# Altium PCB JacdacRp2040DisplayEc30 125.PcbDoc
Units mm, origin at the board's own origin, x right, y up, seen from the top; angles counter-clockwise.
Board outline 66.5 x 35 mm, 2 copper layers (Top Layer, Bottom Layer), stack 1.525 mm thick; 36 components, 29 nets, 203 pads, 4 vias.
Unrouted connection lines stored in the file: 57.
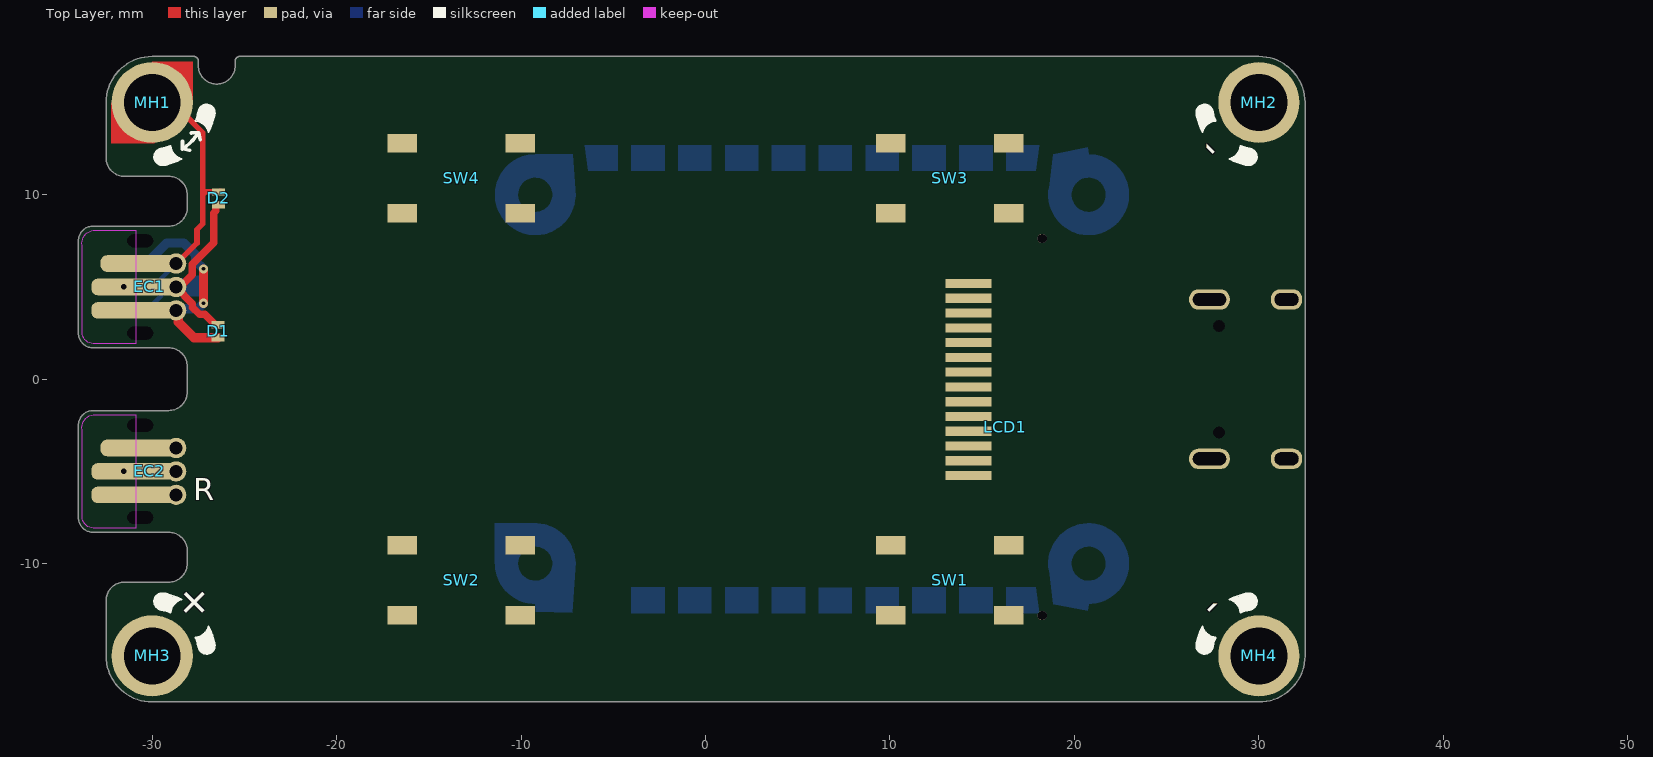
[diagram p0: Top Layer view]
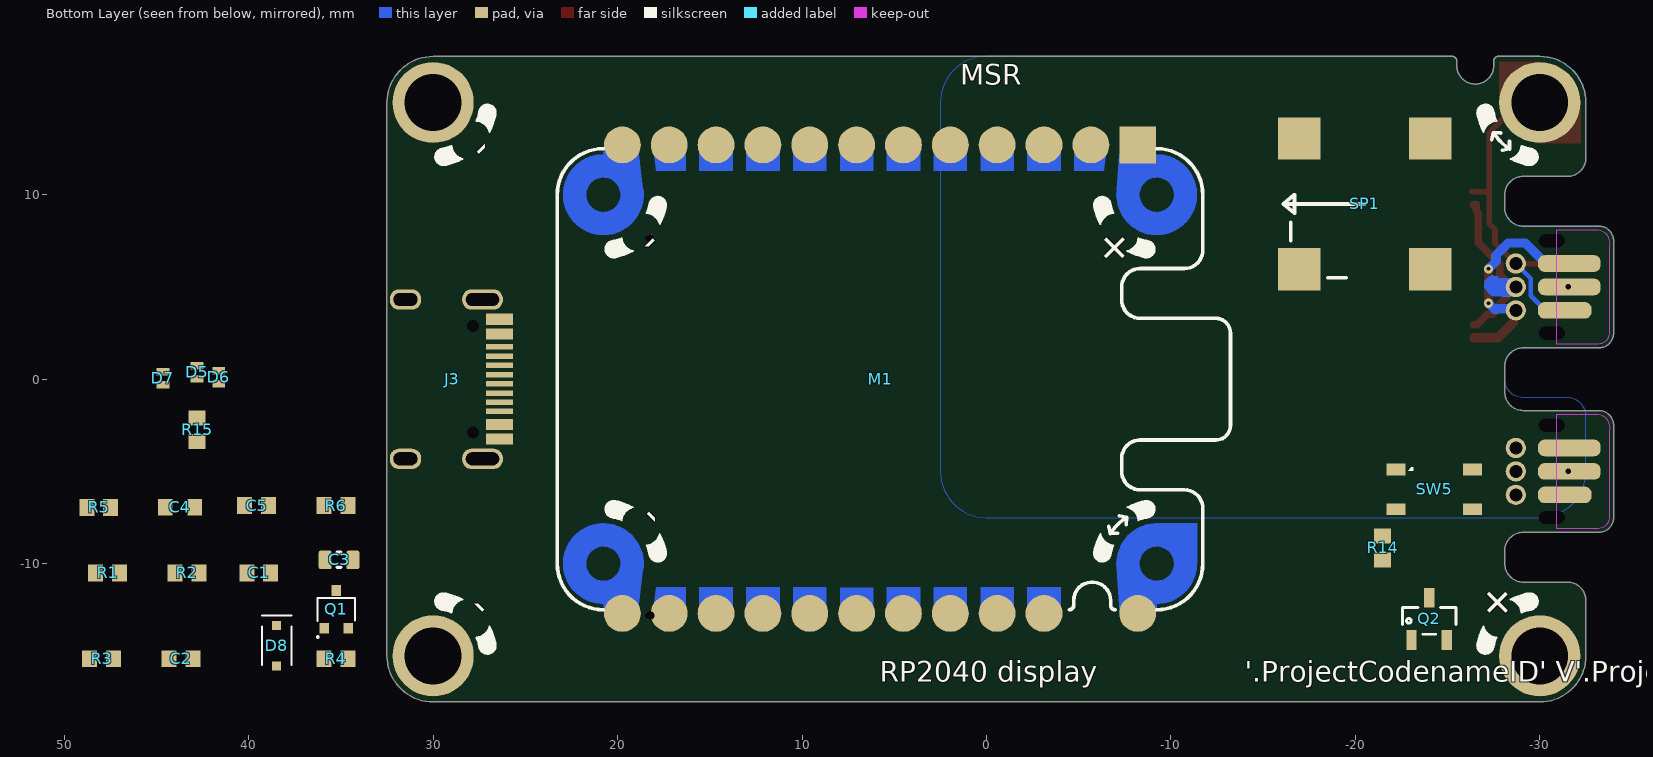
[diagram p1: Bottom Layer view, seen from below]

## Layer stack, top to bottom
Top Solder: solder mask 0.0102, Solder Resist, Dk 3.5
Top Layer: signal copper 0.0356
Dielectric 1: core 1.454, FR-4, Dk 4.2
Bottom Layer: signal copper 0.0356
Bottom Solder: solder mask 0.0102, Solder Resist, Dk 3.5

## Board outline
-34,-7.5 ccw(c-33.2,-7.5) -33.2,-8.3 -29.1,-8.3 -29.098,-8.3 cw(c-29.098,-9.3) -28.098,-9.3 -28.1,-9.3 -28.1,-10 cw(c-29.1,-10) -29.1,-11 -31.5,-11 ccw(c-31.5,-12) -32.5,-12 -32.5,-15 ccw(c-30,-15) -30,-17.5 30,-17.5 ccw(c30,-15) 32.5,-15 32.5,15 ccw(c30,15) 30,17.5 -25.25,17.5 ccw(c-25.25,17.25) -25.5,17.25 -25.5,17 cw(c-26.5,17) -27.5,17 -27.5,17.25 ccw(c-27.75,17.25) -27.75,17.5 -30,17.5 ccw(c-30,15) -32.5,15 -32.5,12 ccw(c-31.5,12) -31.5,11 -29.1,11 cw(c-29.1,10) -28.1,10 -28.1,9.3 -28.098,9.3 cw(c-29.098,9.3) -29.098,8.3 -29.1,8.3 -33.2,8.3 ccw(c-33.2,7.5) -34,7.5 -34,2.5 ccw(c-33.2,2.5) -33.2,1.7 -29.1,1.7 cw(c-29.1,0.7) -28.1,0.7 -28.1,0 -28.1,-0.7 cw(c-29.1,-0.7) -29.1,-1.7 -33.2,-1.7 ccw(c-33.2,-2.5) -34,-2.5

## Design rules (kind name [scope] priority, off if disabled: settings)
AssemblyTestPointUsage [All] p1: valid=2
BoardOutlineClearance StampHoleBoardOutlineClearance [InComponent('J5') or InComponent('J6')] p1: gap=0 ignorepadtopadclearanceinfootprint=FALSE
BoardOutlineClearance [All] p2: gap=0.25 ignorepadtopadclearanceinfootprint=FALSE except(0: Arc-SplitContinuation Track-SplitContinuation SMDPad-SplitContinuation THPad-SplitContinuation Via-SplitContinuation Fill-SplitContinuation Poly-SplitContinuation Region-SplitContinuation Text-SplitContinuation)
Clearance [All] p1: gap=0.13 ignorepadtopadclearanceinfootprint=FALSE except(0: Arc-Hole Track-Hole SMDPad-Hole THPad-Hole Via-Hole Fill-Hole Poly-Hole Region-Hole Text-Hole)
ComponentClearance StampHoleComponentClearance [InComponent('MH1') or InComponent('MH2')  or InComponent('MH3')  or InComponent('MH4') vs InComponent('J5') or InComponent('J6')] p1: gap=0 collisioncheckmode=3 verticalgap=0 showdistances=FALSE
ComponentClearance LcdClearance [InComponent('M1') Or InComponent('SW1') Or InComponent('SW2')  Or InComponent('SW3') Or InComponent('SW4') vs InComponent('LCD1')] p2: gap=0 collisioncheckmode=3 verticalgap=0 showdistances=FALSE
ComponentClearance [All] p3: gap=0.2 collisioncheckmode=3 verticalgap=0.2 showdistances=FALSE
DiffPairsRouting DiffPair_DIFF90DiffPairsRouting [InDifferentialPairClass('DIFF90')] p1: maxlimit=2 minlimit=0.2 mostfreqgap=0.2 toplayer_minwidth=0.2 toplayer_maxwidth=2 toplayer_prefwidth=0.2 bottomlayer_minwidth=0.2 bottomlayer_maxwidth=2 bottomlayer_prefwidth=0.2 substack1={CB9D278B-8BF5-444A-AAF4-837A2A9DF42D} toplayer_{cb9d278b-8bf5-444a-aaf4-837a2a9df42d}_minwidth=0.381 toplayer_{cb9d278b-8bf5-444a-aaf4-837a2a9df42d}_maxwidth=0.381 toplayer_{cb9d278b-8bf5-444a-aaf4-837a2a9df42d}_prefwidth=0.381 bottomlayer_{cb9d278b-8bf5-444a-aaf4-837a2a9df42d}_minwidth=0.381 bottomlayer_{cb9d278b-8bf5-444a-aaf4-837a2a9df42d}_maxwidth=0.381 bottomlayer_{cb9d278b-8bf5-444a-aaf4-837a2a9df42d}_prefwidth=0.381 substack2={826B8647-A721-4255-895A-19F9591B9CD1} toplayer_{826b8647-a721-4255-895a-19f9591b9cd1}_minwidth=0.381 toplayer_{826b8647-a721-4255-895a-19f9591b9cd1}_maxwidth=0.381 toplayer_{826b8647-a721-4255-895a-19f9591b9cd1}_prefwidth=0.381 bottomlayer_{826b8647-a721-4255-895a-19f9591b9cd1}_minwidth=0.381 bottomlayer_{826b8647-a721-4255-895a-19f9591b9cd1}_maxwidth=0.381 bottomlayer_{826b8647-a721-4255-895a-19f9591b9cd1}_prefwidth=0.381 substack3={E64FCAF4-1BC8-437D-B1E0-0E5F2DC0F59E} toplayer_{e64fcaf4-1bc8-437d-b1e0-0e5f2dc0f59e}_minwidth=0.381 toplayer_{e64fcaf4-1bc8-437d-b1e0-0e5f2dc0f59e}_maxwidth=0.381 toplayer_{e64fcaf4-1bc8-437d-b1e0-0e5f2dc0f59e}_prefwidth=0.381 bottomlayer_{e64fcaf4-1bc8-437d-b1e0-0e5f2dc0f59e}_minwidth=0.381 bottomlayer_{e64fcaf4-1bc8-437d-b1e0-0e5f2dc0f59e}_maxwidth=0.381 bottomlayer_{e64fcaf4-1bc8-437d-b1e0-0e5f2dc0f59e}_prefwidth=0.381 substack4={E61CE66C-507C-4E1E-8E83-C905434AFC1C} toplayer_{e61ce66c-507c-4e1e-8e83-c905434afc1c}_minwidth=0.381 toplayer_{e61ce66c-507c-4e1e-8e83-c905434afc1c}_maxwidth=0.381 toplayer_{e61ce66c-507c-4e1e-8e83-c905434afc1c}_prefwidth=0.381 bottomlayer_{e61ce66c-507c-4e1e-8e83-c905434afc1c}_minwidth=0.381 bottomlayer_{e61ce66c-507c-4e1e-8e83-c905434afc1c}_maxwidth=0.381 bottomlayer_{e61ce66c-507c-4e1e-8e83-c905434afc1c}_prefwidth=0.381 filterlayerstackid={285EF71D-43CD-4455-94EE-AC1A71E951D2} maxuncoupledlength=12.7
FabricationTestPointUsage [All] p1: valid=2 allowmultiple=FALSE
HoleSize [All] p1: absolutevalues=TRUE maxlimit=6 minlimit=0.2 maxpercent=80.000 minpercent=20.000
HoleToHoleClearance [All] p1: gap=0.4 allowstackedmicrovias=TRUE
MatchedLengths DiffPair_DIFF90MatchedLengths [InDifferentialPair ('USB_D')] p1: tolerance=25.4 checknetsindiffpair=FALSE checkdiffpairvsdiffpair=TRUE checkxsignals=TRUE checkothers=TRUE
MinimumSolderMaskSliver [All] p1: minsoldermaskwidth=0.005
PlaneClearance [All] p1: clearance=0.15
PlaneConnect [All] p1: planeconnectstyle=Relief reliefexpansion=0.3 reliefentries=4 reliefconductorwidth=0.13 reliefairgap=0.13
PolygonConnect "PolygonConnect GND" [isVIA] p1: connectstyle=Relief reliefconductorwidth=0.15 reliefentries=4 polygonreliefangle="90 Angle" airgapwidth=0.13
PolygonConnect [All] p2: connectstyle=Relief reliefconductorwidth=0.13 reliefentries=4 polygonreliefangle="90 Angle" airgapwidth=0.13
RoutingVias [All] p1: holewidth=0.2 width=0.5 viastyle="Through Hole" minholewidth=0.2 minwidth=0.5 maxholewidth=0.3 maxwidth=0.8
SilkToSilkClearance [All] p1: silktosilkclearance=0.001
SilkToSolderMaskClearance [IsPad] p1: minsilkscreentomaskgap=0.05 clearancetoexposedcopper=TRUE
SolderMaskExpansion [All] p1: expansion=0.075 istentingtop=FALSE
UnRoutedNet [All] p1: checkbadconnections=TRUE
Width [All] p1: maxlimit=2 minlimit=0.13 preferedwidth=0.13 substack1={CB9D278B-8BF5-444A-AAF4-837A2A9DF42D} toplayer_{cb9d278b-8bf5-444a-aaf4-837a2a9df42d}_minwidth=0.15 toplayer_{cb9d278b-8bf5-444a-aaf4-837a2a9df42d}_prefwidth=0.15 bottomlayer_{cb9d278b-8bf5-444a-aaf4-837a2a9df42d}_minwidth=0.15 bottomlayer_{cb9d278b-8bf5-444a-aaf4-837a2a9df42d}_prefwidth=0.15 substack2={826B8647-A721-4255-895A-19F9591B9CD1} toplayer_{826b8647-a721-4255-895a-19f9591b9cd1}_minwidth=0.15 toplayer_{826b8647-a721-4255-895a-19f9591b9cd1}_prefwidth=0.15 bottomlayer_{826b8647-a721-4255-895a-19f9591b9cd1}_minwidth=0.15 bottomlayer_{826b8647-a721-4255-895a-19f9591b9cd1}_prefwidth=0.15 substack3={E64FCAF4-1BC8-437D-B1E0-0E5F2DC0F59E} toplayer_{e64fcaf4-1bc8-437d-b1e0-0e5f2dc0f59e}_minwidth=0.15 toplayer_{e64fcaf4-1bc8-437d-b1e0-0e5f2dc0f59e}_prefwidth=0.15 bottomlayer_{e64fcaf4-1bc8-437d-b1e0-0e5f2dc0f59e}_minwidth=0.15 bottomlayer_{e64fcaf4-1bc8-437d-b1e0-0e5f2dc0f59e}_prefwidth=0.15 substack4={E61CE66C-507C-4E1E-8E83-C905434AFC1C} toplayer_{e61ce66c-507c-4e1e-8e83-c905434afc1c}_minwidth=0.15 toplayer_{e61ce66c-507c-4e1e-8e83-c905434afc1c}_prefwidth=0.15 bottomlayer_{e61ce66c-507c-4e1e-8e83-c905434afc1c}_minwidth=0.15 bottomlayer_{e61ce66c-507c-4e1e-8e83-c905434afc1c}_prefwidth=0.15 minimp=50.000000 maximp=50.000000 favimp=50.000000
18 further rules are at their usual default settings.

## Classes and differential pairs
differential pair USB_D: +USB_D_P -USB_D_N

## Components (designator, comment, footprint, x,y, rotation, side; value= is the part's Value field where it differs from the comment)
C1 "33 pF" CC0603 39.452,-10.5 r180 bottom
C2 "33 pF" CC0603 43.674,-15.154 r180 bottom
C3 "CAP0603_GENERIC" CAP0603 35.1,-9.8 r180 bottom value=1uF
C4 "CL10A475KP8NNNC" "C0603 - without outline" 43.725,-6.949 r180 bottom
C5 "0.1uF" CC0603 39.574,-6.854 r180 bottom
D1 "RCLAMP0521P-N" "TVS 0402 - L" -26.425,2.6 r90 top
D2 "RCLAMP0521P-N" "TVS 0402 - L" -26.4,9.8 r270 top
D5 "RCLAMP0521P-N" "TVS 0402 - L" 42.8,0.38 r270 bottom
D6 "RCLAMP0521P-N" "TVS 0402 - L" 41.62,0.105 r90 bottom
D7 "RCLAMP0521P-N" "TVS 0402 - L" 44.645,0.055 r90 bottom
D8 "BAS316" NXP_SOD323 38.483,-14.454 r180 bottom
EC1 "3 pin JACDAC edge connector" JACDAC_EDGE_CONNECTOR_NO_TRACES#1 -28.15,5 r90 top
EC2 "3 pin JACDAC edge connector" JACDAC_EDGE_CONNECTOR_NO_TRACES#2 -28.15,-5 r90 top
J3 "TYPE-C-31-M-12" TYPE-C-31-M-12 26.405,0 r270 bottom
LCD1 "JD-T18003-T01" JD-T18003-T01-BASIC-1.5mm-clearance -20.45,-17.018 r0 top
M1 "Castellated Jacdac RP2040 module" JACDACRP2040BRAINEC30 -8.2,0 r270 bottom
MH1 "MH_7.0MMK_4.4MMC_3.1MMD_PTH" MH_7.0MMK_4.4MMC_3.1MMD_PTH -30,15 r0 top
MH2 "MH_7.0MMK_4.4MMC_3.1MMD_PTH" MH_7.0MMK_4.4MMC_3.1MMD_PTH 30,15 r0 top
MH3 "MH_7.0MMK_4.4MMC_3.1MMD_PTH" MH_7.0MMK_4.4MMC_3.1MMD_PTH -30,-15 r0 top
MH4 "MH_7.0MMK_4.4MMC_3.1MMD_PTH" MH_7.0MMK_4.4MMC_3.1MMD_PTH 30,-15 r0 top
Q1 "MOSFET N-CH 20V 1.4A" INFINEON_SOT-323 35.25,-12.48 r180 bottom
Q2 "2N7002K" SOT23-ONS -24,-13 r180 bottom
R1 "RES0603_GENERIC" CC0603 47.643,-10.5 r180 bottom value=10R
R2 "RES0603_GENERIC" CC0603 43.343,-10.5 r180 bottom value=100kR
R3 "RES0603_GENERIC" CC0603 47.974,-15.154 r180 bottom value=10R
R4 "RES0603_GENERIC" CC0603 35.274,-15.154 r180 bottom value=10R
R5 "RES0603_GENERIC" CC0603 48.125,-6.949 r180 bottom value=120R
R6 "RES0603_GENERIC" CC0603 35.274,-6.854 r180 bottom value=100kR
R14 "RES0603_GENERIC" CC0603 -21.478,-9.151 r90 bottom value=5.1kR
R15 "RES0603_GENERIC" CC0603 42.8,-2.741 r270 bottom value=5.1kR
SP1 "SPEAKER_MLT-8530" SPEAKER_MLT-8530 -20.5,9.5 r0 bottom
SW1 "PTS525SM15SMTR2LFS" PTS525Sx15 13.25,-10.9 r180 top
SW2 "PTS525SM15SMTR2LFS" PTS525Sx15 -13.25,-10.9 r180 top
SW3 "PTS525SM15SMTR2LFS" PTS525Sx15 13.25,10.9 r180 top
SW4 "PTS525SM15SMTR2LFS" PTS525Sx15 -13.25,10.9 r180 top
SW5 "UK-B0267-SP25Y" USAKRO-UK-B0267-SP25Y -24.275,-5.976 r180 bottom

## Footprints (in the part's own frame and the unit in brackets; to place one, negate y for a bottom-side part, rotate by r counter-clockwise, add the part's x,y. Pads: shape width x height; smd on the part's side, far side on the other; paste and mask are expansions set on the pad)
"C0603 - without outline" [mm]
  rect 0.8x0.9 smd: 1(-0.8,0) 2(0.8,0)
  body extent -0.9,-0.5 0.9,0.5, height 0.9
CAP0603 [mm] "Chip Capacitor 0603, 2-Leads, Body 1.60x0.80mm, IPC Medium Density"
  rrect25% 0.7x1 smd: 1(-0.75,0) 2(0.75,0)
  silkscreen extent -0.1,-0.4 0.1,0.4, body extent -0.88,-0.48 0.87,0.47, height 0.9
CC0603 [mil]
  rect 32x36 smd: 1(-25.5,0) 2(25.5,0)
  body extent -34,-18 34,18, height 36
INFINEON_SOT-323 [mm]
  rect 0.5x0.58 smd mask+0.05: 1(-0.65,-1.02) 2(0.65,-1.02) 3(0,1.02)
  silkscreen extent -1.05,-1.55 1.01,0.63, body extent -1.1,-1.12 1.1,1.12, height 1.1
JACDAC_EDGE_CONNECTOR_NO_TRACES#1 [mm] "Jacdac 3 pin connector with no traces"
  rrect78% 0.9x2.9 smd far side paste-1 mask+0: 1(-1.27,3.2)
  rrect78% 0.9x4.3 smd paste-1 mask+0: 1(1.27,2.5)
  round 1.1 hole 0.71 paste-0.254 mask+0: 1(1.27,0.55) 2(0,0.55) 3(-1.27,0.55)
  rrect78% 0.9x3.4 smd far side paste-1 mask+0: 2(0,3.45) 2(0,3.45) 3(1.27,3.45)
  rrect78% 0.9x4.8 smd paste-1 mask+0: 2(0,2.75) 3(-1.27,2.75)
  round 0 hole 0.7 slot 1.4 at 90 deg unplated: ""(-2.5,2.5) ""(2.5,2.5)
  Top Layer lines w0.2: -1.27,0.85 -1.126,0.85
  Top Layer keep-out region: -3.075,2.75 -3.07,5.033 -2.987,5.341 -2.761,5.567 -2.453,5.65 -2.453,5.65 2.27,5.65 2.545,5.635 2.794,5.516 2.978,5.31 3.07,5.05 3.07,5.05 3.07,2.75
  Bottom Layer keep-out region: -3.07,2.75 -3.07,5.033 -3.023,5.269 -2.889,5.469 -2.689,5.603 -2.453,5.65 -2.453,5.65 2.27,5.65 2.546,5.635 2.794,5.516 2.978,5.31 3.07,5.05 3.07,5.05 3.07,2.75
JACDAC_EDGE_CONNECTOR_NO_TRACES#2 [mm] "Jacdac 3 pin connector with no traces"
  rrect78% 0.9x2.9 smd far side paste-1 mask+0: 1(-1.27,3.2)
  rrect78% 0.9x4.3 smd paste-1 mask+0: 1(1.27,2.5)
  round 1.1 hole 0.71 paste-0.254 mask+0: 1(1.27,0.55) 2(0,0.55) 3(-1.27,0.55)
  rrect78% 0.9x3.4 smd far side paste-1 mask+0: 2(0,3.45) 2(0,3.45) 3(1.27,3.45)
  rrect78% 0.9x4.8 smd paste-1 mask+0: 2(0,2.75) 3(-1.27,2.75)
  round 0 hole 0.7 slot 1.4 at 90 deg unplated mask+0: ""(-2.5,2.5) ""(2.5,2.5)
  Top Layer keep-out region: -3.075,2.75 -3.07,5.033 -2.987,5.341 -2.761,5.567 -2.453,5.65 -2.453,5.65 2.27,5.65 2.545,5.635 2.794,5.516 2.978,5.31 3.07,5.05 3.07,5.05 3.07,2.75
  Bottom Layer lines w0.2: -1.27,0.85 -1.126,0.85
  Bottom Layer keep-out region: -3.07,2.75 -3.07,5.033 -3.023,5.269 -2.889,5.469 -2.689,5.603 -2.453,5.65 -2.453,5.65 2.27,5.65 2.546,5.635 2.794,5.516 2.978,5.31 3.07,5.05 3.07,5.05 3.07,2.75
JACDACRP2040BRAINEC30 [mm]
  rect 2x2 smd: 1(-12.7,0)
  round 0.1 smd paste-2539.97 mask+0: 1(-11.939,0) 1(-11.939,0) 2(11.939,0) 2(11.939,0) 3(-11.939,-2.54) 3(-11.939,-2.54) 5(-11.939,-5.08) 5(-11.939,-5.08) 6(11.939,-5.08) 6(11.939,-5.08) 7(-11.939,-7.62) 7(-11.939,-7.62) 8(11.939,-7.62) 8(11.939,-7.62) 9(-11.939,-10.16) 9(-11.939,-10.16) 10(11.939,-10.16) 10(11.939,-10.16) 11(-11.939,-12.7) 11(-11.939,-12.7) 12(11.939,-12.7) 12(11.939,-12.7) 13(-11.939,-15.24) 13(-11.939,-15.24) 14(11.939,-15.24) 14(11.939,-15.24) 15(-11.939,-17.78) 15(-11.939,-17.78) 16(11.939,-17.78) 16(11.939,-17.78) 17(-11.939,-20.32) 17(-11.939,-20.32) 18(11.939,-20.32) 18(11.939,-20.32) 19(-11.939,-22.86) 19(-11.939,-22.86) 20(11.939,-22.86) 20(11.939,-22.86) 21(-11.939,-25.4) 21(-11.939,-25.4) 22(11.939,-25.4) 22(11.939,-25.4) 23(-11.939,-27.94) 23(-11.939,-27.94) 24(11.939,-27.94) 24(11.939,-27.94)
  round 2 smd: 2(12.7,0) 3(-12.7,-2.54) 5(-12.7,-5.08) 6(12.7,-5.08) 7(-12.7,-7.62) 8(12.7,-7.62) 9(-12.7,-10.16) 10(12.7,-10.16) 11(-12.7,-12.7) 12(12.7,-12.7) 13(-12.7,-15.24) 14(12.7,-15.24) 15(-12.7,-17.78) 16(12.7,-17.78) 17(-12.7,-20.32) 18(12.7,-20.32) 19(-12.7,-22.86) 20(12.7,-22.86) 21(-12.7,-25.4) 22(12.7,-25.4) 23(-12.7,-27.94) 24(12.7,-27.94)
  Top Layer region: -11.318,-27.652 -9.9,-26.77 -12.2,-27.055 -12.57,-28.928 -12.2,-28.97
  Top Layer region: 11.318,-0.288 9.9,-1.17 12.649,-0.975 12.597,0.991 12.2,1.03
  Top Layer region: -11.318,-0.288 -9.9,-1.17 -12.2,-0.999 -12.2,1.03
  Top Layer region: 11.3,-16.14 11.3,-14.34 12.7,-14.34 12.7,-16.14
  Top Layer region: 11.289,-18.68 11.289,-16.88 12.689,-16.88 12.689,-18.68
  Top Layer region: 11.289,-21.22 11.289,-19.42 12.689,-19.42 12.689,-21.22
  Top Layer region: 11.289,-23.76 11.289,-21.96 12.689,-21.96 12.689,-23.76
  Top Layer region: 11.289,-26.1 11.289,-24.5 12.689,-24.5 12.689,-26.3
  Top Layer region: 11.289,-5.98 11.289,-4.18 12.689,-4.18 12.689,-5.98
  Top Layer region: 11.289,-8.52 11.289,-6.72 12.689,-6.72 12.689,-8.52
  Top Layer region: 11.289,-11.06 11.289,-9.26 12.689,-9.26 12.689,-11.06
  Top Layer region: 11.289,-13.6 11.289,-11.8 12.689,-11.8 12.689,-13.6
  Top Layer region: -11.289,-14.34 -11.289,-16.14 -12.689,-16.14 -12.689,-14.34
  Top Layer region: -11.289,-11.8 -11.289,-13.6 -12.689,-13.6 -12.689,-11.8
  Top Layer region: -11.289,-9.26 -11.289,-11.06 -12.689,-11.06 -12.689,-9.26
  Top Layer region: -11.289,-6.72 -11.289,-8.52 -12.689,-8.52 -12.689,-6.72
  Top Layer region: -11.289,-4.18 -11.289,-5.98 -12.689,-5.98 -12.689,-4.18
  Top Layer region: -11.289,-1.84 -11.289,-3.44 -12.689,-3.44 -12.689,-1.64
  Top Layer region: -11.289,-16.88 -11.289,-18.68 -12.689,-18.68 -12.689,-16.88
  Top Layer region: -11.289,-19.42 -11.289,-21.22 -12.689,-21.22 -12.689,-19.42
  Top Layer region: -11.289,-24.5 -11.289,-26.1 -12.689,-26.3 -12.689,-24.5
  Top Layer region: -11.289,-21.96 -11.289,-23.76 -12.689,-23.76 -12.689,-21.96
  Top Layer region: 7.8,3.23 7.8,0.93 8.789,2.241 10,3.23
  Top Layer region: 11.307,-27.652 9.889,-26.77 12.189,-27.055 12.559,-28.928 12.189,-28.97
  Top Layer lines w1.27: 10,2.59 cw(c10,1.03) 9.973,2.59 ; -9.973,2.59 cw(c-10,1.03) -10,2.59 ; 10,-30.53 ccw(c10,-28.97) 9.973,-30.53 ; -9.973,-30.53 ccw(c-10,-28.97) -10,-30.53
  silkscreen extent -12.5,-31.47 12.5,5.03, body extent -12.5,-31.97 12.5,5.03, height 4.91
JD-T18003-T01-BASIC-1.5mm-clearance [mm] "128x160 colour LCD"
  rect 2.5x0.5 smd: 1(34.7,22.2) 2(34.7,21.4) 3(34.7,20.6) 4(34.7,19.8) 5(34.7,19) 6(34.7,18.2) 7(34.7,17.4) 8(34.7,16.6) 9(34.7,15.8) 10(34.7,15) 11(34.7,14.2) 12(34.7,13.4) 13(34.7,12.6) 14(34.7,11.8)
  round 0.5 hole 0.5 unplated: 1(38.7,4.2) 1(38.7,24.65)
  body extent 0,-0.02 45.83,33.98, height 3.6
MH_7.0MMK_4.4MMC_3.1MMD_PTH [mm] "Jacdac mounting hole 7.0mm clearance, 4.4 annualar ring and 3.1mm PTH"
  round 4.4 hole 3.08 mask+0.05: 1(0,0)
NXP_SOD323 [mm]
  rect 0.5x0.5 smd mask+0.1: 1(0,1.1) 2(0,-1.1)
  silkscreen extent -0.8,-1.05 0.81,1.65, body extent -0.65,-1.25 0.65,1.25, height 1.1
PTS525Sx15 [mm] "low profile tact"
  rect 1.6x1 smd: 1(-3.2,1.9) 2(3.2,1.9) 3(-3.2,-1.9) 4(3.2,-1.9)
  body extent -3.2,-2.63 3.2,2.63, height 1.5
SOT23-ONS [mil]
  rect 22x42 smd: 1(-37.5,-45) 2(37.5,-45) 3(0,45)
  silkscreen extent -57,-32 57,25, body extent -60,-52 60,52, height 44
SPEAKER_MLT-8530 [mm] "magnetic speaker"
  rect 2.3x2.3 smd: 1(-3.55,3.55) 2(3.55,3.55) 3(3.55,-3.55) 4(-3.55,-3.55)
  silkscreen extent 0,-0.5 4.4,4, body extent -4.4,-4.32 4.3,4.38, height 3.31
"TVS 0402 - L" [mm] "TVS 0402 RoHS"
  rect 0.4x0.7 smd paste-0.038 mask+0.05: 1(-0.35,0) 2(0.35,0)
  body extent -0.5,-0.3 0.5,0.3, height 0.5
TYPE-C-31-M-12 [mm] "USB - Type C Female 16 8.94*7.3mm USB Connectors RoHS"
  rrect90% 1.1x2.2 hole 0.7 slot 1.8 at 90 deg: 1(-4.32,-0.915) 4(4.32,-0.915)
  rrect90% 0x0 hole 0.65 unplated: 1(-2.89,-1.445)
  round 0 hole 0.65 unplated: 1(2.89,-1.445)
  rrect90% 1.1x1.7 hole 0.7 slot 1.3 at 90 deg: 2(-4.32,-5.095) 3(4.32,-5.095)
  rect 0.3x1.45 smd paste-0.254 mask+0.05: A1(-3.4,0)
  rect 0.3x1.45 smd mask+0.05: A4(-2.6,0) A5(-1.25,0) A6(-0.25,0) A7(0.25,0) A8(1.25,0) A9(2.6,0) A12(3.4,0) B1(3.1,0) B4(2.3,0) B5(1.75,0) B6(0.75,0) B7(-0.75,0.006) B8(-1.75,0) B9(-2.3,0) B12(-3.1,0)
  body extent -4.47,-7.7 4.47,0.21, height 3.31
USAKRO-UK-B0267-SP25Y [mm] "4.20mm x 3.20mm"
  rect 1.05x0.65 smd: 1(-2.075,1.075) 2(2.075,1.075) 3(-2.075,-1.075) 4(2.075,-1.075)
  silkscreen extent -1.41,1.02 -1.12,1.2, body extent -2.29,-1.6 2.29,1.6, height 2.5

## Part data
C1 C2: library part CC0603JRNPO9BN330, "33pF 0603 100V C0G/NPO", Capacitance=33pF, Case Code (Imperial)=0603, Case Code (Metric)=1608, Dielectric=C0G, Manufacturer=Yageo, Max Operating Temperature=125°C, Min Operating Temperature=-55°C, Tolerance=5%, Voltage Rating=100V, Case/Package=0603, Category="Ceramic Capacitors", ComponentLink1Description="Online datasheet", ComponentLink1URL=https://datasheet.ciiva.com/13207/upy-gp-np0-16v-to-50v-8-13207786.pdf, Composition=Ceramic, Depth=0.8mm, Height=0.8mm, Lead Free="Lead Free", Length=1.6mm, Manufacturer 1=Yageo, Manufacturer Part Number=CC0603JRNPO9BN330, Manufacturer Part Number 1=CC0603JRNPO9BN330, Mount="Surface Mount", Packaging="Tape and Reel", RoHS=Yes, Supplier 1=Digi-Key, Termination=SMD/SMT, Thickness=0.035inch, Voltage Rating (DC)=100V, Weight=7.1E-05oz, Width=0.8mm
C3: "CAP generic 0603 SMD", Package Size=0603, Rated Voltage="* V"
C4: "CAP CER 4.7UF 10V X5R 0603", Capacitance=4.7uF, Case Code (Imperial)=0603, Case Code (Metric)=1608, Dielectric=X5R, Manufacturer=Samsung, Max Operating Temperature=85°C, Min Operating Temperature=-55°C, Package Quantity=1, Supplier Part Number 1=3013398, Tolerance=10%, Voltage Rating=10V, Case/Package=0603, Category="Ceramic Capacitors", Checked By=?, ComponentLink1Description="Online datasheet", ComponentLink1URL=https://datasheet.ciiva.com/25797/cl10a475kp8nnnc-25797520.pdf, Construction=Flat, Contact Plating=Tin, Created By="D Gakure", Depth=0.8mm, Height=0.8mm, Length=1.6mm, Manufacturer Part Number=CL10A475KP8NNNC, Mount="Surface Mount", Packaging="Tape and Reel", Pricing 1="10=0.02700, 100=0.02160, 500=0.01580, 1000=0.01310, 2000=0.01130 (GBP)", Pricing 2="1=0.10000, 10=0.04900, 50=0.02680, 100=0.02180, 500=0.01558, 1000=0.01224 (USD)", Radiation Hardening=No, RoHS=Yes, RoHS Compliant=Yes, Series=CL, Stock 1=75690, Supplier 1=Farnell, Supplier 2=Digi-Key, Supplier Part Number 2=1276-1044-1-ND, Thickness=0.035inch, Width=0.031inch
C5: library part CC0603KRX7R8BB104, "0.1uF, 0603, CC0603KRX7R8BB104, Yageo, 25V, X7R, 10%, FULL REEL", Capacitance=100nF, Case Code (Imperial)=0603, Case Code (Metric)=1608, Dielectric=X7R, Manufacturer=Yageo, Max Operating Temperature=125°C, Min Operating Temperature=-55°C, Package Quantity=1, Supplier Part Number 1=311-1341-1-ND, Tolerance=10%, Voltage=25V, Case/Package=0603, Category="Ceramic Capacitors", ComponentLink2Description="Online part number coding", ComponentLink2URL=https://datasheet.ciiva.com/144/mlccorderingcode-144075.pdf?src-supplier=Digi-Key, ComponentLink3Description="Online datasheet", ComponentLink3URL=https://datasheet.ciiva.com/17434/upy-gphc-x7r-6-3v-to-50v-8-17434263.pdf, Composition=Ceramic, Depth=0.8mm, Halogen Free="Halogen Free", Height=0.8mm, Lead Free="Lead Free", Length=1.6mm, Manufacturer Part Number=CC0603KRX7R8BB104, Mount="Surface Mount", Number of Pins=2, Packaging="Tape and Reel", Pricing 1="1=0.10000, 10=0.05300, 100=0.02340, 500=0.01674, 1000=0.01316 (USD)", Radiation Hardening=No, REACH SVHC=Unknown, RoHS=Yes, Stock 1=12615855, Supplier 1=Digi-Key, Termination=SMD/SMT, Thickness=0.035inch, Voltage Rating=25V, Voltage Rating (DC)=25V, Width=0.8mm
D1 D2 D5 D6 D7: "Bidirectional 5V (Max) 6V 16V 3.5A (8/20us) 0402 TVS RoHS", Manufacturer="Born Semiconductor", Package=0402, Supplier1 Part Number=C316043, Checked By=?, ComponentLink1Description="Online datasheet", ComponentLink1URL=https://datasheet.lcsc.com/szlcsc/Bourne-Semicon-Shenzhen-RCLAMP0521P-N_C316043.pdf, Created By="D Gakure", Manufacturer Part Number=RCLAMP0521P-N, Supplier1=LCSC
D8: "Diode: switching; SMD; 100V; 250mA; 4ns; SOD323", Average Rectified Current=250mA, Case/Package=SC, Forward Voltage=1.25V, Manufacturer 1="NXP Semiconductors", Manufacturer Part Number 1=BAS316115, Max Forward Surge Current (Ifsm)=4A, Max Operating Temperature=150°C, Max Power Dissipation=400mW, Max Repetitive Reverse Voltage (Vrrm)=100V, Max Reverse Leakage Current=1uA, Min Operating Temperature=-65°C, Package Quantity=1, Supplier Part Number 1=568-5003-2-ND, Category="Rectifier Diodes", ComponentLink1Description="NXP datasheet online", ComponentLink1URL=https://datasheet.ciiva.com/1242/1856332-1242585.pdf, Contact Plating=Tin, Element Configuration=Single, Forward Current=250mA, Height=0.25inch, Lead Free="Lead Free", Length=0.25inch, Max Reverse Voltage (DC)=100V, Max Surge Current=4A, Mount="Surface Mount", Number of Pins=2, Packaging="Tape and Reel", Peak Non-Repetitive Surge Current=4A, Power Dissipation=400mW, Radiation Hardening=No, REACH SVHC="No SVHC", Recovery Time=4ns, Reverse Recovery Time=4ns, RoHS=Yes, Supplier 1=Digi-Key, Supplier 2=Farnell, Supplier Part Number 2=2336750, Voltage=100V, Weight=0.01lb, Width=0.25inch
EC1 EC2: library part "Jacdac edge connector", "3 pin Jacdac edge connector 1.27mm pitch", Manufacturer Part Number=JACDAC_EDGE_CONNECTOR, Checked By=?, ComponentLink1Description="Yuliang JACDAC cable connector drawing online", ComponentLink1URL=https://github.com/microsoft/jacdac-mdk/blob/main/connector/JACDAC-Connector-by-Yuliang-2020-11-28.pdf, ComponentLink2Description="JACDAC PCB edge connector spec onlin", ComponentLink2URL=https://github.com/microsoft/jacdac-mdk/blob/main/connector/JACDAC_PCB_Edge_Connector_Drawing_JD-PEC-01_rev_01.pdf, Created By="D. Gakure", PCB Type="1.6mm FR4"
J3: "USB - Type C Female 16 USB Connectors RoHS", Manufacturer="Korean Hroparts Elec", Supplier 1 Part Number=C165948, Category="USB Connectors", ComponentLink1Description="Online datasheet", ComponentLink1URL=https://datasheet.lcsc.com/szlcsc/1811131825_Korean-Hroparts-Elec-TYPE-C-31-M-12_C165948.pdf, Gender=Receptacle, Manufacturer Part Number=TYPE-C-31-M-12, Number of Positions=16, Orientation="Right Angle", RoHS=Yes, Supplier 1=LCSC
LCD1: "128x160 backlit colour LCD", Manufacturer="Truly Semiconductor", Supplier Part Number 1=1528-2562-ND, ComponentLink1Description="Truly Semiconductor datasheet", ComponentLink1URL=https://cdn-shop.adafruit.com/datasheets/JD-T1800.pdf, ComponentLink2Description="Adafruit product page", ComponentLink2URL=https://www.adafruit.com/product/618, Manufacturer Part Number=JD-T18003-T01, Pricing 1="1=9.95 (USD)", Stock 1=65, Supplier 1=Digi-Key, Supplier 2=Mouser, Supplier 3=Adafruit, Supplier Part Number 2=485-618, Supplier Part Number 3=618
M1: library part JacdacRP2040BrainEC30, Part Number=JacdacRp2040BrainEc30
MH1 MH2 MH3 MH4: "Mounting Hole 7.0mm keepout, 4.4mm annualar ring and 3.1mm Drill PTH", Annular Ring=4.4mm, Hole Clearance=7.0mm, Hole Diameter=3.1mm, Hole Size=M3, Hole Type=PTH
Q1: library part BSS816NWH6327XTSA1CT-ND, "Trans MOSFET N-CH 20V 1.4A Automotive 3-Pin SOT-323 T/R", Drain to Source Voltage (Vdss)=20V, Manufacturer 1=Infineon, Manufacturer Part Number 1=BSS816NW, Halogen Free="Halogen Free", Max Dual Supply Voltage=20V, Number of Pins=3, Packaging="Tape and Reel", Pricing 1="1=0.38000, 10=0.31500, 25=0.26360, 100=0.12890, 250=0.12688, 500=0.10754, 1000=0.07472 (USD)", Rds On Max=160mR, RoHS=No, Stock 1=9959, Supplier 1=Digi-Key, Supplier 2=Farnell, Supplier 3=Mouser, Supplier 4=RSComponents, Supplier Part Number 1=BSS816NWH6327XTSA1CT-ND, Supplier Part Number 2=2617470, Supplier Part Number 3=726-BSS816NWH6327, Supplier Part Number 4=1107113
Q2: "MOSFET Transistor, N Channel, 300 mA, 60 V, 2 ohm, 10 V, 2.5 V", Case/Package=SOT-23, Continuous Drain Current (ID)=300mA, Drain to Source Breakdown Voltage=60V, Drain to Source Resistance=2R, Gate to Source Voltage (Vgs)=20V, Input Capacitance=50pF, Manufacturer="ON Semiconductor / Fairchild", Max Operating Temperature=150°C, Max Power Dissipation=350mW, Min Operating Temperature=-55°C, Package Quantity=1, Supplier Part Number 1=2N7002KCT-ND, Threshold Voltage=2.5V, Category=MOSFETs, Checked By=?, ComponentLink1Description="Online datasheet", ComponentLink1URL=https://www.onsemi.com/pdf/datasheet/2n7002k-d.pdf, Contact Plating=Tin,Matte, Created By="D. Gakure", Drain to Source Voltage (Vdss)=60V, Drain-source On Resistance-Max=2R, Element Configuration=Single, Height=1.2mm, Lead Free="Lead Free", Length=2.92mm, Manufacturer Part Number=2N7002K, Mount="Surface Mount", Number of Elements=1, Number of Pins=3, On-State Resistance=2R, Packaging="Tape and Reel", Polarity=N-CHANNEL, Power Dissipation=350mW, Pricing 1="1=0.40000, 10=0.32500, 25=0.27240, 100=0.17240, 500=0.11344, 1000=0.07714 (USD)", Pricing 2="1=0.40000, 10=0.27300, 50=0.27300, 100=0.13400, 1000=0.07800, 10000=0.05100 (USD)", Pricing 3="5=0.34800, 10=0.23500, 100=0.09100, 500=0.05850, 3000=0.04630, 9000=0.03860, 24000=0.03750, 45000=0.03530 (GBP)", Radiation Hardening=No, Rds On Max=2R, REACH SVHC="No SVHC", RoHS=Yes, Stock 1=53564, Stock 2=111825, Stock 3=101059, Supplier 1=Digi-Key, Supplier 2=Mouser, Supplier 3=Farnell, Supplier Part Number 2=512-2N7002K, Supplier Part Number 3=2453382, Turn-Off Delay Time=30ns, Turn-On Delay Time=5ns, Voltage=60V, Width=1.3mm
R1 R2 R3 R4 R5 R6: "Generic 0603 resistor", Manufacturer=Generic, Package Size=0603, Power=*mW, Tolerance=*%
R14 R15: "Generic 0603 resistor", Manufacturer=Generic, Package Size=0603, Power=*mW, Tolerance=5%
SP1: library part MLT-8530, "8.5mm MAGNETIC SMD SPEAKER", Manufacturer="JIANGSU HUANENG", Manufacturer 2="TAT ELECTRONICS", Manufacturer 3="DONGGUAN COSSON", Manufacturer Part Number 2=BM8530S-0327-16, Manufacturer Part Number 3=KS-085030H-03027, ComponentLink1Description="Jiangsu datasheet online (lcsc.com)", ComponentLink1URL=https://datasheet.lcsc.com/szlcsc/1811151451_Jiangsu-Huaneng-Elec-MLT-8530_C94599.pdf, ComponentLink2Description="Jiangsu datasheet online (seeedstudio.com)", ComponentLink2URL=https://files.seeedstudio.com/products/107020109/document/MLT_8530_datasheet.pdf, Manufacturer 1="JIANGSU HUANENG", Manufacturer Part Number=MLT-8530, Manufacturer Part Number 1=MLT-8530
SW1 SW2 SW3 SW4: "Switch Tactile N.O. SPST Round Button Gull Wing 0.02A 15VDC 1000000Cycles 1.569N SMD T/R", Manufacturer="ITT C&K", Max Operating Temperature=70°C, Min Operating Temperature=-20°C, Operating Force=160gf, Supplier Part Number 1=CKN9104CT-ND, Actuator Material=Nylon,Polyamide, Actuator Type=Standard, Category="Tactile Switches", ComponentLink2Description="online datasheet", ComponentLink2URL=https://www.ckswitches.com/media/1467/pts525.pdf, Illumination Type=Non-Illuminated, Lead Free="Lead Free", Manufacturer 1="ITT C&K", Manufacturer Part Number=PTS525SM15SMTR2LFS, Manufacturer Part Number 1=PTS525SM15SMTR2LFS, Mechanical Life=1000000Cycles, Mount="Surface Mount", Packaging="Cut Tape", Pricing 1="1=0.62000, 10=0.59400, 25=0.57240, 100=0.49540, 250=0.45136, 500=0.41834, 1000=0.37431 (USD)", RoHS=Yes, RoHS Compliant=Yes, Stock 1=314519, Supplier 1=Digi-Key, Supplier 2=Farnell, Supplier 3=Mouser, Supplier Part Number 2=3023207, Supplier Part Number 3=611-PTS525SM15SMTR2, Switch Function=Off-Mom, Switch Travel=0.25mm, Termination="Gull Wing", Throw Configuration=SPST
SW5: "SWITCH TACTILE SSPST 50mA @ 12VDC", Current Rating="50 mA", Manufacturer=USAKRO, Operating Force="3.9 N", Supplier 1 Part Number=C493283, Voltage Rating DC="12 VDC", Actuator=Oval, ComponentLink1Description="Online datasheet", ComponentLink1URL=https://datasheet.ciiva.com/18514/pts810-4mar13-18514167.pdf, Contact Form=SPST, Manufacturer Part Number=UK-B0267-SP25Y, Mounting Style=SMD/SMT, Product Category="Tactile Switches", RoHS=Details, Supplier 1=LCSC, Switch Function="OFF - (ON)"

## Via types
v1: diameter 0.6, hole 0.3, Top Layer to Bottom Layer, tented both sides, 2 vias
v2: diameter 0.5, hole 0.2, Top Layer to Bottom Layer, tented both sides, 2 vias

## Nets (pads, with @x,y where several pads share a name; then routed paths per layer and width w, separated by ;. In a path a pad name is that pad's centre, name@x,y a point inside that pad or via, vN(x,y) a via of type N, cw(c..) or ccw(c..) an arc to the next point about the centre after c; other vN are vias at no path point)
3V3: C3.2 LCD1.4 LCD1.10 LCD1.11 M1.6
CC1: J3.A5 R15.1
CC2: J3.B5 R14.1
GND: C1.1 C2.1 C3.1 C4.1 D1.2 D2.2 D5.2 D6.2 D7.2 EC1.2 EC2.2 J3.A1 J3.A12 J3.B1 J3.B12 LCD1.2 LCD1.5 LCD1.13 M1.23 M1.24 MH2.1 MH4.1 Q1.2 Q2.2 R2.2 R6.2 R14.2 R15.2 SP1.2 SP1.3 SW1.2 SW2.4 SW3.1 SW4.3 SW5.4 | length 10.1
  Top Layer w0.4: D1.2 -26.575,2.95 -27.141,3.516 -27.436,3.516 -27.82,3.9 -27.82,4.097 -28.7,4.977 -28.511,4.977 -27.82,5.667 -27.82,6.24 -26.665,7.396 -26.665,9.002 -26.55,9.117 -26.55,9.45 D2.2
  Bottom Layer w1: EC1.2@-28.7,4.977 -28.681,4.996 -27.589,4.996 -27.464,5.12
  other v1: -31.55,-5 -31.55,5
JD_DATA: D2.1 EC1.1 EC2.1 M1.2 MH1.1 | length 19.5
  Top Layer w0.3: EC1.1@-30.65,6.247 -28.7,6.247 -27.571,7.376 -27.571,8.11 -27.25,8.43 -27.25,9.325 ; MH1.1 -28.15,15 -28.15,14.256 -27.25,13.356 -27.25,10.15 -27.25,9.325 ; D2.1@-26.3,10.2 -26.35,10.15 D2.1 -27.116,10.15 -27.25,10.016 -27.25,9.325
  Bottom Layer w0.25: EC1.1@-31.325,3.73 -30.3,3.73 -29.511,4.519 -29.511,5.459 EC1.1@-28.7,6.27
JD_PWR: D1.1 EC1.3 EC2.3 M1.1 MH3.1 | length 12.4
  Top Layer w0.5: EC1.3@-28.625,3.73 -28.7,3.73 -28.585,3.615 -28.585,3.102 -27.733,2.25 D1.1 ; v2(-27.22,4.12) v2(-27.22,5.98)
  Bottom Layer w0.5: EC1.3@-31.6,6.247 -30.35,6.247 -29.212,7.385 -28.285,7.385 -27.636,6.737 -27.636,6.396 v2(-27.22,5.98) ; EC1.3@-28.7,3.707 -28.585,3.821 -27.519,3.821 v2(-27.22,4.12)
LCD_BL: Q2.1 R2.1
LCD_CS: LCD1.12 M1.16
LCD_DC: LCD1.7
LCD_MOSI: C2.2 LCD1.8 R3.1
LCD_RST: LCD1.6
LCD_SCLK: C1.2 LCD1.9 R4.1
NetC4_2: C4.2 D8.1 R5.1 SP1.1
NetC5_2: C5.2 Q1.1 R6.1
NetD8_2: D8.2 Q1.3 SP1.4
NetLCD1_3: LCD1.3 R1.1
NetM1_3: M1.3 SW5.2
NetM1_20: M1.20 R3.2
NetM1_22: M1.22 R4.2
NetQ2_3: Q2.3 R1.2
SPEAKER: C5.1
SW1: SW1.4
SW2: SW2.2
SW3: SW3.3
SW4: SW4.1
USB_D_N: D6.1 J3.A7 J3.B7 M1.19
USB_D_P: D5.1 J3.A6 J3.B6 M1.17
VREG: R5.2
VUSB: D7.1 J3.A4 J3.A9 J3.B4 J3.B9 M1.21
pads on no net: EC1. EC2. J3.1 J3.2 J3.3 J3.4 J3.A8 J3.B8 LCD1.1 LCD1.14 M1.5 M1.7 M1.8 M1.9 M1.10 M1.11 M1.12 M1.13 M1.14 M1.15 M1.18 SW1.1 SW1.3 SW2.1 SW2.3 SW3.2 SW3.4 SW4.2 SW4.4 SW5.1 SW5.3

## Polygon pours and split planes (outlines as drawn)
no net on Bottom Assy "NONET_L-01_P-001" (hatched 45Degree grid 0.3 track 0.01): -26.5,16 ccw(c-26.5,17) -25.5,17 -25.5,17.25 cw(c-25.25,17.25) -25.25,17.5 30,17.5 cw(c30,15) 32.5,15 32.5,12.551 cw(c30,15) 26.646,16
no net on Bottom Assy "NONET_L-01_P-001" (hatched 45Degree grid 0.3 track 0.01): -32.5,-15 -32.5,-7 cw(c-31.5,-7) -31.5,-6 -29.1,-6 ccw(c-29.1,-5) -28.1,-5 -28.1,-4.3 ccw(c-29.1,-4.3) -29.1,-3.3 -33.2,-3.3 cw(c-33.2,-2.5) -34,-2.5 -34,2.5 cw(c-33.2,2.5) -33.2,3.3 -29.1,3.3 ccw(c-29.1,4.3) -28.1,4.3 -28.1,5 ccw(c-29.1,5) -29.1,6 -31.5,6 cw(c-31.5,7) -32.5,7 -32.5,15 cw(c-30,15) -30,17.5 -27.729,17.5 -27.75,17.5 cw(c-27.75,17.25) -27.5,17.25 -27.5,17 ccw(c-26.5,17) -26.656,16.012 -26.65,16.015 cw(c-30,15) -27,13.197 -27,-13.197 cw(c-30,-15) -26.646,-16 26.646,-16 cw(c30,-15) 32.5,-12.551 32.5,-15 cw(c30,-15) 30,-17.5 -27.729,-17.5 -30,-17.5 cw(c-30,-15)
GND on Bottom Layer "NONET_L-01_P-001" (solid, shelved, pour order 0): -32.5,-5 -32.5,-1.97 -32.5,-2 cw(c-31.5,-2) -31.5,-1 -29.1,-1 ccw(c-29.1,0) -28.1,0 -28.1,0.7 ccw(c-29.1,0.7) -29.1,1.7 -33.2,1.7 cw(c-33.2,2.5) -34,2.5 -34,7.5 cw(c-33.2,7.5) -33.2,8.3 -29.1,8.3 -29.098,8.3 ccw(c-29.098,9.3) -28.098,9.3 -28.1,9.3 -28.1,10 ccw(c-29.1,10) -29.1,11 -31.5,11 cw(c-31.5,12) -32.5,12 -32.5,11.97 -32.5,15 cw(c-30,15) -30,17.5 -27.75,17.5 cw(c-27.75,17.25) -27.5,17.25 -27.5,17 ccw(c-26.5,17) -25.5,17 -25.5,17.25 cw(c-25.25,17.25) -25.25,17.5 0,17.5 cw(c0,15) 2.5,15 2.5,-5 cw(c0,-5) 0,-7.5 -30,-7.5 cw(c-30,-5)
no net on Bottom Assy "NONET_L-01_P-001" (hatched 45Degree grid 0.15 track 0.01): -29.3,-2.868 -33.2,-2.868 cw(c-33.2,-2.468) -33.6,-2.468 -33.6,-2.466 -33.6,2.477 -33.6,2.474 cw(c-33.2,2.474) -33.2,2.874 -33.198,2.874 -29.3,2.874
no net on Bottom Assy "NONET_L-01_P-001" (hatched 45Degree grid 0.15 track 0.01): -32.5,13.342 ccw(c-30,15) -28.342,17.5 -30,17.5 ccw(c-30,15) -32.5,15
no net on Bottom Assy "NONET_L-01_P-001" (hatched 45Degree grid 0.15 track 0.01): -32.5,-13.342 cw(c-30,-15) -28.342,-17.5 -30,-17.5 cw(c-30,-15) -32.5,-15
no net on Bottom Assy "NONET_L-01_P-001" (hatched 45Degree grid 0.15 track 0.01): 32.5,-13.342 ccw(c30,-15) 28.342,-17.5 30,-17.5 ccw(c30,-15) 32.5,-15
no net on Bottom Assy "NONET_L-01_P-001" (hatched 45Degree grid 0.15 track 0.01): 32.5,13.342 cw(c30,15) 28.342,17.5 30,17.5 cw(c30,15) 32.5,15

## Other copper
Top Layer:
  region net JD_DATA: -32.215,12.8 -29.9,12.8 -27.8,14.9 -27.8,17.216 -29.984,17.216 -32.215,14.985

## Silkscreen, mask and mechanical layers (free items; w line width, h text height)
Top Overlay:
  lines w0.1: -29.374,-11.607 cw(c-30,-15) -28.399,-11.944 ccw(c-28.206,-12.72) -29.003,-12.653 ; -29.374,11.607 ccw(c-30,15) -28.399,11.944 cw(c-28.206,12.72) -29.003,12.653 ; -29.352,-11.612 ccw(c-29.446,-12.052) -29.539,-12.492 cw(c-30,-15) -29.027,-12.643 ; -29.352,11.612 cw(c-29.446,12.052) -29.539,12.492 ccw(c-30,15) -29.027,12.643 ; -27.653,-14.003 ccw(c-27.72,-13.206) -26.944,-13.4 cw(c-30,-15) -26.607,-14.374 ; -27.653,14.003 cw(c-27.72,13.206) -26.944,13.399 ccw(c-30,15) -26.607,14.374 ; -27.643,-14.027 cw(c-30,-15) -27.492,-14.539 ccw(c-27.052,-14.446) -26.612,-14.352 ; -27.643,14.027 ccw(c-30,15) -27.492,14.539 cw(c-27.052,14.446) -26.612,14.352 ; 26.607,-14.374 cw(c30,-15) 26.944,-13.399 ccw(c27.72,-13.206) 27.653,-14.003 ; 26.607,14.374 ccw(c30,15) 26.944,13.399 cw(c27.72,13.206) 27.653,14.003 ; 26.612,-14.352 ccw(c27.052,-14.446) 27.492,-14.54 ; 26.612,14.352 cw(c27.052,14.446) 27.492,14.539 ; 27.492,-14.539 cw(c30,-15) 27.643,-14.027 ; 27.492,14.539 ccw(c30,15) 27.643,14.027 ; 29.003,-12.653 ccw(c28.206,-12.72) 28.4,-11.944 cw(c30,-15) 29.374,-11.607 ; 29.003,12.653 cw(c28.206,12.72) 28.4,11.944 ccw(c30,15) 29.374,11.607 ; 29.027,-12.643 cw(c30,-15) 29.539,-12.492 ; 29.027,12.643 ccw(c30,15) 29.539,12.492 ; 29.352,-11.612 cw(c29.446,-12.052) 29.54,-12.492 ; 29.352,11.612 ccw(c29.446,12.052) 29.54,12.492
  lines w0.2: -28.352,12.884 -28.366,12.484 ; -27.973,12.408 -28.366,12.484 ; -27.883,13.345 -27.484,13.366 ; -27.401,12.975 -27.484,13.366 ; -28.366,12.484 ccw(c-30,15) -27.484,13.366
  lines w0.33: -29.1,-12.445 cw(c-28.759,-12.302) -28.685,-11.94 ; -29.1,12.445 ccw(c-28.759,12.302) -28.685,11.94 ; -27.445,-14.1 ccw(c-27.302,-13.759) -26.94,-13.685 ; -27.445,14.101 cw(c-27.302,13.759) -26.94,13.685 ; 26.94,-13.685 ccw(c27.302,-13.759) 27.445,-14.1 ; 26.94,13.685 cw(c27.302,13.759) 27.445,14.101 ; 28.685,-11.94 cw(c28.759,-12.302) 29.1,-12.445 ; 28.685,11.94 ccw(c28.759,12.302) 29.1,12.445
  lines w1: -29.43,-12.055 cw(c-30,-15) -29.285,-12.086 ; -29.43,12.055 ccw(c-30,15) -29.285,12.086 ; -27.086,-14.285 cw(c-30,-15) -27.055,-14.43 ; -27.086,14.285 ccw(c-30,15) -27.055,14.43 ; 27.055,-14.43 cw(c30,-15) 27.086,-14.285 ; 27.055,14.43 ccw(c30,15) 27.086,14.285 ; 29.285,-12.086 cw(c30,-15) 29.43,-12.055 ; 29.285,12.086 ccw(c30,15) 29.43,12.055
  text "-" at 28.643,13.146 h3.5 r135
  text "R" at -27.78,-6.574 h1.2
  text "-" at 28.146,-13.643 h3.5 r45
  text "+" at -27.95,-13.669 h2.8 r315
Bottom Overlay:
  lines w0.1: -29.374,-11.607 cw(c-30,-15) -28.399,-11.944 ccw(c-28.206,-12.72) -29.003,-12.653 ; -29.374,11.607 ccw(c-30,15) -28.399,11.944 cw(c-28.206,12.72) -29.003,12.653 ; -29.352,-11.612 ccw(c-29.446,-12.052) -29.539,-12.492 cw(c-30,-15) -29.027,-12.643 ; -29.352,11.612 cw(c-29.446,12.052) -29.539,12.492 ccw(c-30,15) -29.027,12.643 ; -27.653,-14.003 ccw(c-27.72,-13.206) -26.944,-13.4 cw(c-30,-15) -26.607,-14.374 ; -27.653,14.003 cw(c-27.72,13.206) -26.944,13.399 ccw(c-30,15) -26.607,14.374 ; -27.643,-14.027 cw(c-30,-15) -27.492,-14.539 ccw(c-27.052,-14.446) -26.612,-14.352 ; -27.643,14.027 ccw(c-30,15) -27.492,14.539 cw(c-27.052,14.446) -26.612,14.352 ; 26.607,-14.374 cw(c30,-15) 26.944,-13.399 ccw(c27.72,-13.206) 27.653,-14.003 ; 26.607,14.374 ccw(c30,15) 26.944,13.399 cw(c27.72,13.206) 27.653,14.003 ; 26.612,-14.352 ccw(c27.052,-14.446) 27.492,-14.54 ; 26.612,14.352 cw(c27.052,14.446) 27.492,14.539 ; 27.492,-14.539 cw(c30,-15) 27.643,-14.027 ; 27.492,14.539 ccw(c30,15) 27.643,14.027 ; 29.003,-12.653 ccw(c28.206,-12.72) 28.4,-11.944 cw(c30,-15) 29.374,-11.607 ; 29.003,12.653 cw(c28.206,12.72) 28.4,11.944 ccw(c30,15) 29.374,11.607 ; 29.027,-12.643 cw(c30,-15) 29.539,-12.492 ; 29.027,12.643 ccw(c30,15) 29.539,12.492 ; 29.352,-11.612 cw(c29.446,-12.052) 29.54,-12.492 ; 29.352,11.612 ccw(c29.446,12.052) 29.54,12.492
  lines w0.2: -28.352,12.884 -28.366,12.484 ; -27.973,12.408 -28.366,12.484 ; -27.883,13.345 -27.484,13.366 ; -27.401,12.975 -27.484,13.366 ; -28.366,12.484 ccw(c-30,15) -27.484,13.366
  lines w0.33: -29.1,-12.445 cw(c-28.759,-12.302) -28.685,-11.94 ; -29.1,12.445 ccw(c-28.759,12.302) -28.685,11.94 ; -27.445,-14.1 ccw(c-27.302,-13.759) -26.94,-13.685 ; -27.445,14.101 cw(c-27.302,13.759) -26.94,13.685 ; 26.94,-13.685 ccw(c27.302,-13.759) 27.445,-14.1 ; 26.94,13.685 cw(c27.302,13.759) 27.445,14.101 ; 28.685,-11.94 cw(c28.759,-12.302) 29.1,-12.445 ; 28.685,11.94 ccw(c28.759,12.302) 29.1,12.445
  lines w1: -29.43,-12.055 cw(c-30,-15) -29.285,-12.086 ; -29.43,12.055 ccw(c-30,15) -29.285,12.086 ; -27.086,-14.285 cw(c-30,-15) -27.055,-14.43 ; -27.086,14.285 ccw(c-30,15) -27.055,14.43 ; 27.055,-14.43 cw(c30,-15) 27.086,-14.285 ; 27.055,14.43 ccw(c30,15) 27.086,14.285 ; 29.285,-12.086 cw(c30,-15) 29.43,-12.055 ; 29.285,12.086 ccw(c30,15) 29.43,12.055
  text "MSR" at 1.432,15.95 h1.1
  text "-" at 28.643,13.146 h3.5 r135
  text "-" at 28.146,-13.643 h3.5 r45
  text "+" at -27.95,-13.669 h2.8 r315
  text "RP2040 display" at 5.784,-16.393 h1.1
  text "'.ProjectCodenameID' V'.ProjectRevision'" at -14,-16.4 h1.1
Board Outline:
  lines w0.1: -29.1,-8.3 -33.2,-8.3 cw(c-33.2,-7.5) -34,-7.5 -34,-2.5 cw(c-33.2,-2.5) -33.2,-1.7 -29.1,-1.7 ccw(c-29.1,-0.7) -28.1,-0.7 -28.1,0 -28.1,0.7 ccw(c-29.1,0.7) -29.1,1.7 -33.2,1.7 cw(c-33.2,2.5) -34,2.5 -34,7.5 cw(c-33.2,7.5) -33.2,8.3 -29.1,8.3 ; -29.098,-8.3 cw(c-29.098,-9.3) -28.098,-9.3 ; -29.098,8.3 ccw(c-29.098,9.3) -28.098,9.3 ; -28.1,-9.3 -28.1,-10 cw(c-29.1,-10) -29.1,-11 -31.5,-11 ccw(c-31.5,-12) -32.5,-12 -32.5,-15 ccw(c-30,-15) -30,-17.5 30,-17.5 ccw(c30,-15) 32.5,-15 32.5,15 ccw(c30,15) 30,17.5 -25.25,17.5 ccw(c-25.25,17.25) -25.5,17.25 -25.5,17 cw(c-26.5,17) -27.5,17 -27.5,17.25 ccw(c-27.75,17.25) -27.75,17.5 -30,17.5 ccw(c-30,15) -32.5,15 -32.5,12 ccw(c-31.5,12) -31.5,11 -29.1,11 cw(c-29.1,10) -28.1,10 -28.1,9.3
Component Keepout Dwg:
  lines w0.01: -33.2,1.7 cw(c-33.2,2.5) -34,2.5 -34,7.5 cw(c-33.2,7.5) -33.2,8.3 -29.1,8.3 ccw(c-29.1,9.3) -28.1,9.3 -28.1,10 ccw(c-29.1,10) -29.1,11 -31.5,11 cw(c-31.5,12) -32.5,12 ; -33.2,1.7 -29.1,1.7 ; -32.5,-7 cw(c-31.5,-7) -31.5,-6 -29.1,-6 ccw(c-29.1,-5) -28.1,-5 -28.1,-4.3 ccw(c-29.1,-4.3) -29.1,-3.3
  lines w0.025: -32.5,-7 -32.5,-15 ccw(c-30,-15) -30,-17.5 -27.729,-17.5 30,-17.5 ccw(c30,-15) 32.5,-15 32.5,-12.551 ccw(c30,-15) 26.646,-16 -26.646,-16 ccw(c-30,-15) -27,-13.197 -27,13.197 ccw(c-30,15) -26.65,16.015 ; -32.5,7 -32.5,15 cw(c-30,15) -30,17.5 -27.729,17.5 ; -27.75,17.5 cw(c-27.75,17.25) -27.5,17.25 -27.5,17 ccw(c-26.5,17) -26.656,16.012 ; -26.5,16 ccw(c-26.5,17) -25.5,17 -25.5,17.25 cw(c-25.25,17.25) -25.25,17.5 30,17.5 cw(c30,15) 32.5,15 32.5,12.551 cw(c30,15) 26.646,16 -26.5,16
Routing Keepout Dwg:
  lines w0.01: -33.6,2.532 ccw(c-33.2,2.532) -33.2,2.132 -29.25,2.132 ; -33.6,2.534 -33.6,7.477 ; -33.6,7.474 cw(c-33.2,7.474) -33.2,7.874 ; -33.198,7.874 -29.25,7.874 ; -32.5,-8.342 -32.5,-6.974 ; -32.5,-7 cw(c-31.5,-7) -31.5,-6 -29.1,-6 ccw(c-29.1,-5) -28.1,-5 ; -32.5,7 -32.5,13.342 ; -32.5,12 ccw(c-31.5,12) -31.5,11 -29.1,11 cw(c-29.1,10) -28.1,10 -28.1,9.3 cw(c-29.1,9.3) -29.1,8.3 -33.2,8.3 ccw(c-33.2,7.5) -34,7.5 -34,2.5 ccw(c-33.2,2.5) -33.2,1.7 -29.1,1.7 ; -29.3,2.132 -29.3,7.874 ; -29.1,-3.3 cw(c-29.1,-4.3) -28.1,-4.3 -28.1,-5 ; 32.5,-5 32.5,13.342
  lines w0.025: -32.5,-8.342 -32.5,-15 ccw(c-30,-15) -30,-17.5 -28.342,-17.5 -27.729,-17.5 28.341,-17.5 29.999,-17.5 ccw(c30,-15) 32.5,-15 ; -27.75,17.5 cw(c-27.75,17.25) -27.5,17.25 -27.5,17 ccw(c-26.5,17) -26.656,16.012 ; -27.729,17.5 -28.342,17.5 ; -27.172,16 ccw(c-30,15) -28.342,17.5 ; -26.5,16 ccw(c-26.5,17) -25.5,17 -25.5,17.25 cw(c-25.25,17.25) -25.25,17.5 28.341,17.5 30,17.5 cw(c30,15) 32.5,15 32.5,13.342 ; -28.342,17.5 cw(c-30,15) -32.5,13.342 -32.5,15 cw(c-30,15) -30,17.5 -28.342,17.5

## Text inside footprints (layer, text, board x,y; h text height)
EC1: Mechanical 9 "Jacdac / cable connector  / body" at -38.158,0.179 h1.7 r90
EC2: Mechanical 9 "Jacdac / cable connector  / body" at -38.158,-9.821 h1.7 r90
LCD1: Mechanical 22 "1" at 16.25,4.982 h1.26 r90
M1: Bottom Overlay "+" at -7.18,8.67 h2.8 r225; Bottom Overlay "-" at 18.893,8.643 h3.5 r135; Bottom Overlay "-" at 19.413,-8.123 h3.5 r45